# Allegro board RK3588S_Template_LP4XD200P232SD10H2_30X30_2133MHz_H1R0_V11_20220218YWQ.brd (continued)
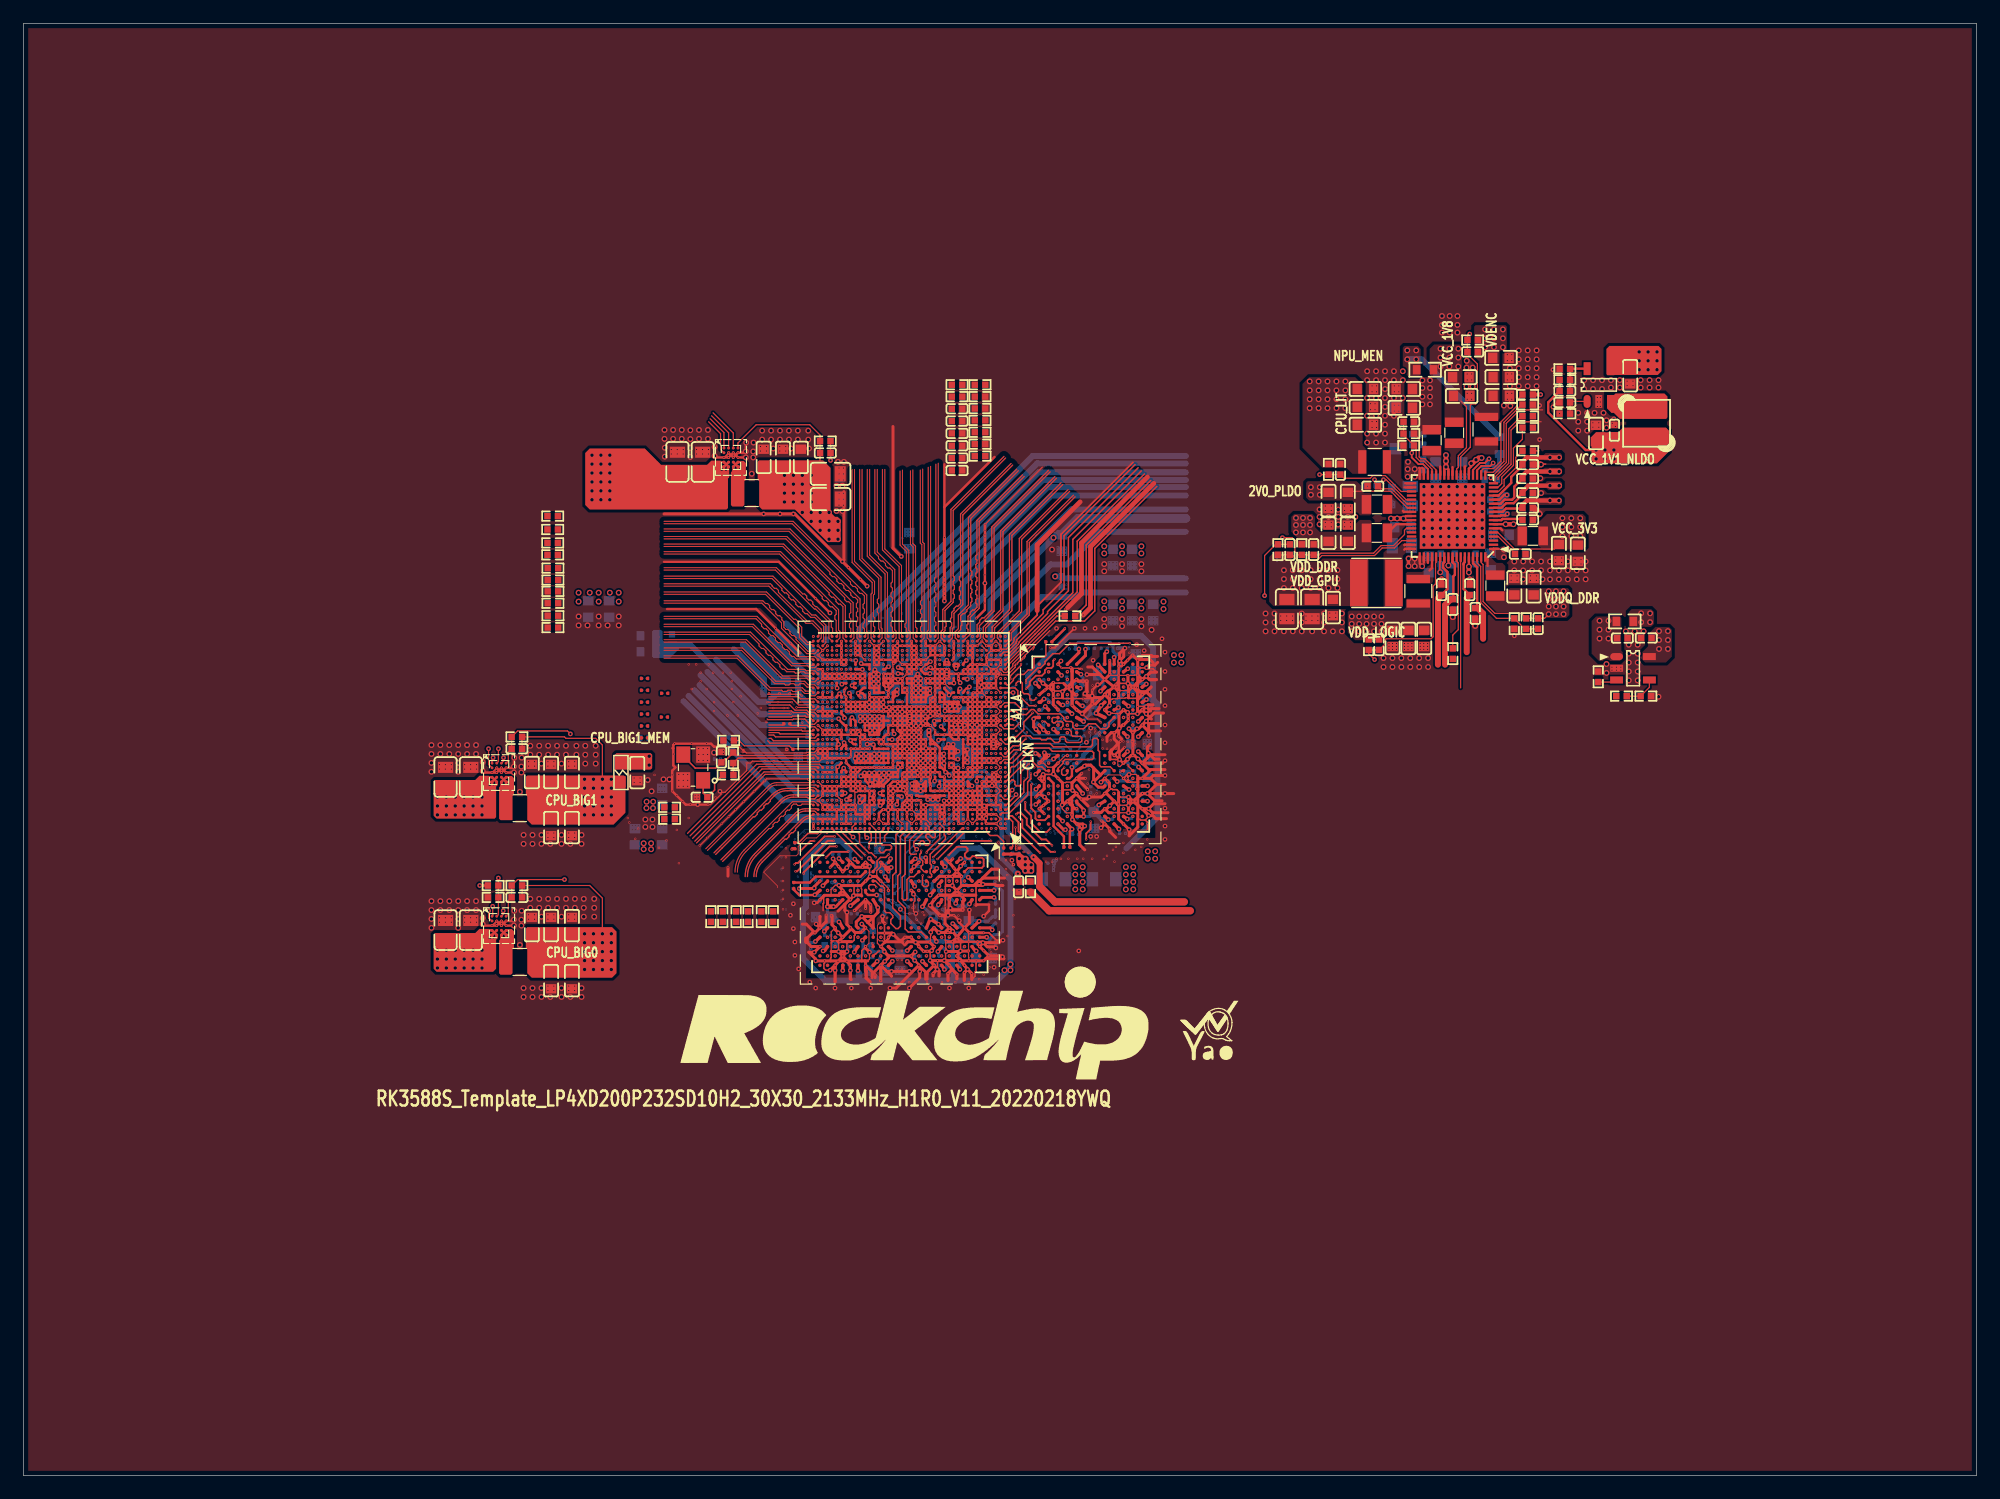
[diagram p0: board, top side]
## Copper pours and planes (outline as drawn; the poured copper is in the pictures) (continued)
PMIC_SW10 on TOP: 121.79,87 121.41,87.38 121.41,88.65 123.06,88.65 123.06,87.63 122.43,87 122.43,86.11 122.05,85.72 121.79,85.98
PMIC_VDC on BOTTOM: 116.71,88.27 118.11,88.27 118.24,88.39 119.89,88.39 120.01,88.27 120.01,86.61 119.89,86.49 119.25,86.49 118.62,87.12 116.71,87.12 116.59,87.25 116.59,88.14
N30961579 on TOP (solid shape): 61.6,86.61 61.72,86.49 61.72,85.09 61.59,84.96 61.59,82.93 61.47,82.8 60.58,82.8 60.45,82.93 60.45,85.72 60.64,85.91 61.34,85.91 61.34,86.61 61.59,86.61
N30962090 on TOP (solid shape): 140.46,92.2 140.46,90.42 140.33,90.3 136.4,90.3 135.89,90.81 135.69,90.81 135.31,91.19 135.31,92.32 135.89,92.32 136.03,92.46 140.21,92.46
N30962978 on TOP (solid shape): 41.78,59.69 41.91,59.56 41.91,58.17 41.78,58.04 41.78,56.01 40.77,56.01 40.64,56.13 40.64,58.8 40.83,58.99 41.53,58.99 41.53,59.69 41.78,59.69
N30963105 on TOP (solid shape): 41.78,46.61 41.91,46.48 41.91,45.09 41.78,44.96 41.78,42.93 41.66,42.8 40.77,42.8 40.64,42.93 40.64,45.72 40.83,45.91 41.53,45.91 41.53,46.61 41.78,46.61

Small or netless copper shapes (teardrops, artwork), in the pictures only: 2 on TOP, 5 on BOTTOM, 3 on L8-S3

## Text on the board
Ref Des/Silkscreen Bottom: DQ5 | DQS1P | DQS1N | FSPI | DQSON | DQSOP | DQ11
User.Comments: CR_VCAM_5 | CR_WIFI_1 | CR_0318_1 | CR_MOS_1 | CR_VCAM_2 | CR_DHPY_2 | CR_0415_2 | CR_VCAM_4 | CR_VCAM15_1 | CR_0310_2 | CR_PMU2_1 | CR_SPEAKER_1 | CR_PMIC_1 | CR_CAM_1 | CR_CAM1_2 | CR_CAM1_3
Ref Des/Silkscreen Top: CPU_BIG1 | CPU_BIG0 | CPU_BIG1_MEM | 2V0_PLDO | VDD_DDR | VDD_GPU | NPU_MEN | VDD_LOGIC | VDDQ_DDR | VCC_3V3 | VCC_1V1_NLDO | P | A1_A | CLKN | CPU_LIT | VCC_1V8 | VDENC | RK3588S_Template_LP4XD200P232SD10H2_30X30_2133MHz_H1R0_V11_20220218YWQ
User.31: PWR | GND | USB | sensor
